# KiCad board Coral Dev Board Micro-PcbDoc.kicad_pcb (continued)
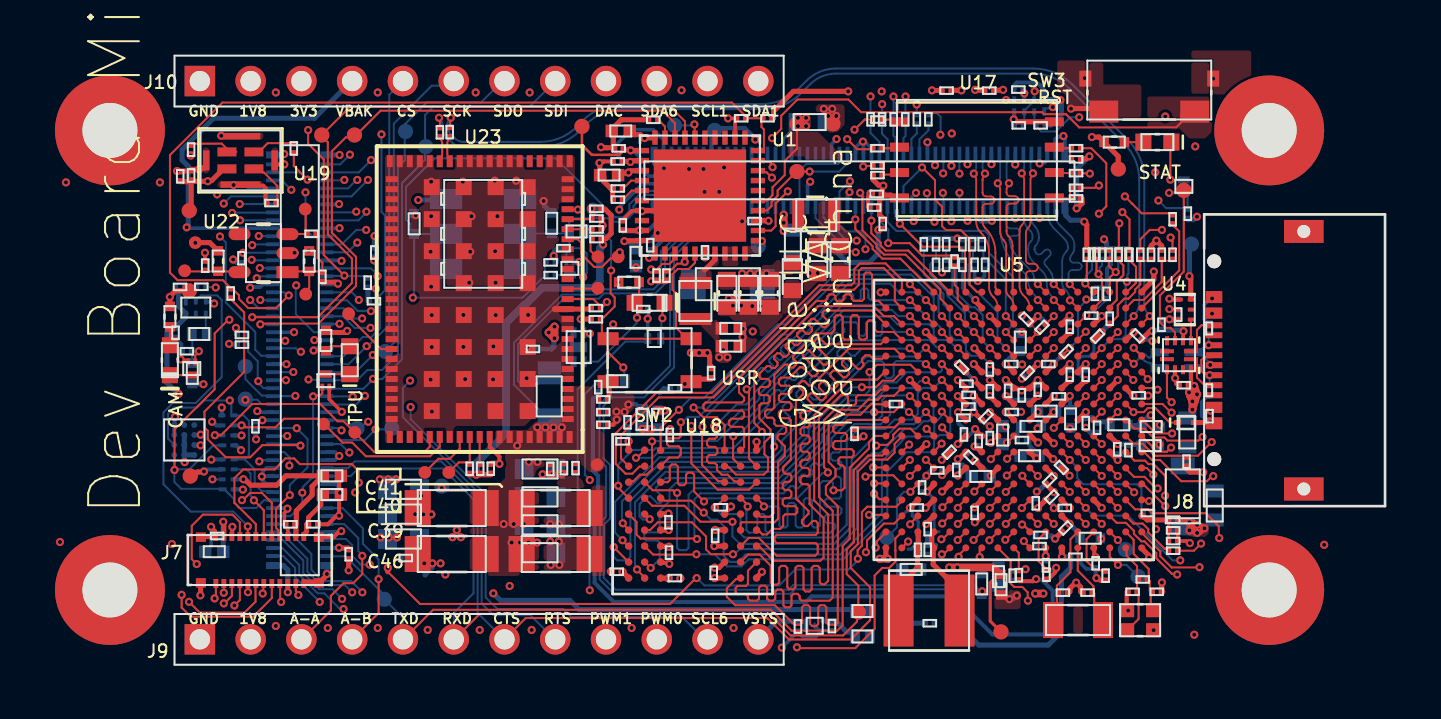
[diagram p0: board, top side]
## Copper pours and planes (outline as drawn; the poured copper is in the pictures) (continued)
GND on In6.Cu: outline of 174 points within -5.85,0.49 58.65,29.99
VDD_1V8 on Bottom: 31.92,21.07 32.03,21.18 32.03,23.18 31.95,23.26 30.26,23.26 30.18,23.18 30.18,21.49 30.6,21.07
VDD_1V8 on Bottom: 24.55,13.42 24.55,12.45 24.58,12.41 25.32,12.41 25.42,12.51 25.42,13.16 25.57,13.31 25.57,14.03 25.54,14.06 25.19,14.06
VDD_1V8 on In3.Cu: 43.48,16.86 43.95,16.39 44.66,16.39 45.13,16.86 45.55,16.86 46.72,15.69 46.72,11.51 46.55,11.35 45.13,11.35 44.93,11.55 44.93,13.59 44.63,13.89 40.62,13.89 40.31,13.58 40.31,12.53 40.19,12.41 39.52,12.41 39.35,12.58 39.35,16.06 39.65,16.35 42.36,16.35 42.87,16.86
VDD_1V8 on In4.Cu: 33.05,27.03 32.86,27.22 32.86,28.27 34.1,29.5 34.1,29.82 34.1,30 33.97,30.13 3.34,30.13 3.08,30.13 0.1,27.18 0.1,5.05 0.45,4.69 0.45,2.84 2.89,0.4 8.3,0.4 8.49,0.59 8.49,1.49 9.64,2.65 9.64,9.4 10.27,10.04 20.38,10.04 22.01,11.66 22.87,12.51 25.32,12.51 25.4,12.6 25.41,13.73 25.41,15.16 24.84,15.73 23.19,15.73 22.68,15.22 12.92,15.22 11.27,16.87 11.27,23.02 13.08,24.82 24.33,24.82 27.92,21.23 32.74,21.23 33.05,21.54
VDD_1V8 on In4.Cu: 48.26,26.66 47.09,26.66 45.63,28.12 45.37,28.12 45.18,27.93 44.93,27.93 43.55,29.31 33.66,29.31 33.63,29.34 33.63,29.94 33.65,29.94 33.75,30.04 45.11,30.04 46.82,28.33 48.92,28.33 52.83,24.43 52.83,22.91 52.83,12.4 52.83,10.45 51.87,9.49 48.3,9.49 47.23,10.56 46.18,10.56 45.91,10.29 45.91,9.28 45.74,9.11 45.13,9.12 44.91,9.33 44.91,14.49 45.17,14.75 47.37,14.75 47.52,14.6 47.52,12.67 49.53,10.66 50.33,10.66 50.69,11.02 50.69,24.22
VDD_1V8 on In4.Cu: 39.49,15.26 39.35,15.12 39.35,10.73 39.54,10.53 39.98,10.53 40.2,10.31 40.2,7.71 40.36,7.56 41.25,7.56 41.91,8.23 41.91,14.95 41.6,15.26
VDD_1V8_SENSE on Top: 25.89,17.57 25.89,16.97 25.98,16.88 27.02,16.88 27.61,16.3 27.61,15.38 27.89,15.11 28.34,15.11 28.49,15.26 28.49,15.49 28.39,15.59 28.39,17.14 28.29,17.24 27.83,17.24 27.5,17.57
VDD_1V8_SENSE on Bottom: 30.32,17.9 30.08,17.65 27.94,17.65 27.71,17.42 27.71,15.18 27.78,15.11 28.6,15.11 30.68,17.19 31.06,17.19 32.79,18.92 32.79,20.59 32.64,20.74 31.11,20.74 31.03,20.67 31.03,18.51 30.43,17.9
VDD_3V3 on Top: 33.37,26.64 33.78,26.64 34.16,27.02 34.16,27.93 34.04,28.05 32.84,28.05 32.71,27.92 32.71,27.3
VDD_3V3 on Top: 41.69,3.8 41.65,3.76 41.65,2.85 41.73,2.77 42.86,2.77 42.97,2.89 42.97,3.62 42.8,3.8
VDD_3V3 on Bottom: 32.66,27.81 32.89,28.03 33.75,28.03 33.98,27.81 33.98,26.94 33.27,26.23 33.27,25.27 33.19,25.19 31.38,25.19 31.33,25.24 31.33,26.18 31.47,26.32 32.06,26.32 32.66,26.92
VDD_3V3 on Bottom: 18.59,16.17 18.59,15.64 18.64,15.59 20.77,15.59 20.77,17.24 19.66,17.24
VDD_3V3 on In3.Cu: 3.73,25.09 4.34,24.48 19.02,24.48 20.68,22.81 20.68,18.36 20.56,18.22 19.1,16.76 19.1,16.29 19.83,15.55 20.93,15.55 22.93,17.54 23.87,18.48 23.87,21.54 25.28,22.95 31.3,22.95 34.81,19.45 38.06,19.45 38.36,19.14 46.83,19.14 48.19,17.79 48.74,17.79 48.93,17.59 48.93,12.55 48.71,12.34 48.71,7.71 48.54,7.56 47.72,6.74 46.1,6.74 45.3,5.94 43.15,5.94 42.19,4.97 42.2,4.11 42.2,3.08 42.48,2.8 44.83,2.8 46.03,2.81 50.71,7.49 51.48,8.26 51.48,11.7 50.71,12.46 50.71,16.82 50.72,16.83 50.72,17.23 51.04,17.54 51.04,19.54 52.13,20.63 52.13,29.83 51.15,30.8 45.18,30.78 41.23,30.78 40.82,30.76 40.79,30.79 32.03,30.8 4.2,30.8 3.73,30.33
VDD_3V3 on In5.Cu: 33.73,28.06 33.97,27.82 33.97,27.35 33.84,27.22 32.86,27.22 32.72,27.36 32.72,27.74 33.04,28.06
VDD_3V3_SENSE on Top: 31.31,25.6 31.47,25.44 32.1,25.44 32.84,24.71 32.84,21.89 32.28,21.33 32.28,20.62 32.41,20.49 34.34,20.49 34.44,20.59 34.44,21.58 34.01,22.01 34.01,25.49 32.48,27.02 32.48,27.45 32.33,27.6 31.58,27.6 31.31,27.33
VDD_3V3_SENSE on Bottom: 32.38,27.6 32.28,27.7 31.37,27.7 31.24,27.58 31.24,26.66 31.37,26.54 32.05,26.54 32.38,26.87
VDD_SNVS on Bottom: 38.65,2.48 38.6,2.43 38.6,0.83 38.71,0.73 44.71,0.73 45.61,1.63 45.61,5.56 45.54,5.63 44.9,5.63 44.85,5.58 44.85,1.77 44.37,1.29 41.17,1.29 39.98,2.48
VDD_SNVS_3V3 on Bottom: 35.18,2.99 35.23,3.04 37.59,3.04 38.25,2.38 38.25,1.59 37.56,0.91 35.25,0.91 35.18,0.98
VDD_SNVS_ANA on In4.Cu: 44.31,6 43.53,5.22 43.53,2.9 43.77,2.66 47.04,2.66 47.16,2.79 47.16,5.61 46.77,6
VDD_SOC_IN on In3.Cu: 40.56,11.5 40.43,11.38 40.43,10.74 40.56,10.61 42.52,10.61 42.82,10.91 43.93,10.91 44.03,11.02 44.03,13.56 43.93,13.66 41.17,13.66 40.97,13.45 40.97,11.63 40.84,11.5
VDD_USB_3P3 on Bottom: 49.72,12.49 49.56,12.64 48.94,12.64 48.76,12.83 46.11,12.83 45.67,13.28 45.67,13.57 45.53,13.71 45.23,13.71 45.09,13.85 45.09,14.41 45.26,14.57 46.55,14.57 46.73,14.75 48.9,14.75 49.18,14.47 50.14,14.47 50.44,14.17 50.44,12.64 50.57,12.51 50.57,11.98 50.31,11.73 49.93,11.73 49.72,11.94
VDDA_1P0 on In4.Cu: 43.49,5.62 41.14,5.62 40.89,5.87 40.89,6.83 42.53,8.46 42.53,14.53 42.72,14.72 44.26,14.72 44.29,14.69 44.29,9.38 45.23,8.44 45.23,7.35 45.23,6.92 44.9,6.6 44.47,6.6
(no net) on Top: 45.21,1.34 46.46,1.34 46.46,3.14 45.21,3.14
(no net) on Top: 52.37,7.13 52.37,6.57 52.19,6.39 51.46,6.39 51.43,6.4 51.2,6.62 51.2,7.14 51.21,7.17 51.21,7.24 51.3,7.33 52.17,7.33
(no net) on Top: 34.16,27.93 34.16,27.02 33.78,26.64 33.37,26.64 32.71,27.3 32.71,27.92 32.84,28.05 34.04,28.05
(no net) on Top: 23.64,13.51 23.64,12.86 22.74,11.96 22.69,11.98 22.69,12.09 22.67,12.22 22.62,12.28 22.6,12.32 22.62,12.37 22.67,12.43 22.69,12.56 22.69,12.58 22.3,12.58 22.3,12.71 22.69,12.71 22.69,12.73 22.67,12.85 22.62,12.92 22.6,12.96 22.62,13 22.67,13.07 22.69,13.19 22.69,13.21 22.3,13.21 22.3,13.34 22.69,13.34 22.69,13.36 22.67,13.49 22.6,13.58 22.62,13.63 23.52,13.63
(no net) on Top: 54.5,29.8 54.41,29.78 53.95,29.59 53.52,29.33 53.14,29 52.84,28.66 52.79,28.62 52.68,28.63 52.6,28.64 52.45,28.64 52.37,28.77 52.4,28.9 52.41,29 52.4,29.05 52.52,29.13 52.6,29.11 52.68,29.13 52.76,29.17 52.8,29.25 52.82,29.33 52.8,29.42 52.76,29.49 52.68,29.54 52.6,29.56 52.52,29.54 52.44,29.49 52.41,29.43 52.33,29.42 52.27,29.42 52.25,29.46 52.21,29.5 52.21,29.98 54.5,29.98
(no net) on Top: 27.86,20.9 27.86,20.06 27.5,19.7 27.5,18.81 25.89,18.81 25.89,19.49 26.03,19.62 26.36,19.62 26.38,19.63 26.44,19.63 26.48,19.67 26.49,19.68 26.8,19.99 26.8,19.99 26.91,20.1 27.08,20.1 27.17,20.08 27.27,20.1 27.43,20.1 27.43,20.22 27.48,20.26 27.48,20.37 27.48,20.39 27.48,20.41 27.48,20.89 27.53,20.94 27.82,20.94
(no net) on Top: 34.41,20.08 34.41,19.25 34.34,19.17 32.89,19.17 32.82,19.16 32.8,19.14 32.79,19.14 31.26,17.62 29.18,15.54 28.65,15.54 28.57,15.61 28.57,17.24 28.37,17.44 27.83,17.44 27.76,17.52 27.76,18.46 27.86,18.56 30.83,18.56 31.09,18.81 31.09,19.19 31.19,19.3 31.64,19.3 31.8,19.45 32.08,19.45 32.3,19.68 32.3,20.11 32.38,20.19 34.31,20.19
(no net) on Top: 27.57,17.44 27.61,17.37 27.69,17.3 27.76,17.25 27.83,17.24 28.28,17.24 28.37,17.15 28.37,15.61 28.38,15.54 28.43,15.47 28.49,15.4 28.49,15.26 28.34,15.11 27.89,15.11 27.66,15.33 27.66,15.44 27.65,15.54 27.61,15.59 27.62,15.6 27.61,15.64 27.61,16.3 27.02,16.88 25.98,16.88 25.91,16.96 25.91,17.57 27.5,17.57
(no net) on Top: 28.82,20.89 28.82,20.16 28.97,20.01 29.05,20.01 30.43,20.01 30.53,20.01 31.11,20.59 31.44,20.59 31.44,20.59 31.97,20.59 32.05,20.52 32.05,19.73 32,19.68 31.7,19.68 31.52,19.5 31.19,19.5 31.11,19.5 31.07,19.46 30.94,19.34 30.92,19.31 30.88,19.27 30.88,19.2 30.88,18.9 30.75,18.76 27.86,18.76 27.71,18.91 27.71,19.61 28.01,19.92 28.01,19.93 28.04,19.96 28.04,19.97 28.06,20.06 28.06,20.9 28.08,20.93 28.78,20.93
(no net) on Top: 46.59,29.5 46.56,29.46 46.46,29.29 46.42,29.19 46.39,29 46.4,28.9 46.45,28.71 46.49,28.62 46.61,28.46 46.68,28.39 46.85,28.3 46.95,28.26 47.14,28.23 47.24,28.24 47.43,28.29 47.46,28.3 47.5,28.32 47.52,28.33 49,28.33 49,27.24 48.83,27.07 46.2,27.07 46.11,27.17 46.11,27.18 46.18,27.28 46.2,27.4 46.18,27.52 46.11,27.62 46.01,27.69 45.89,27.71 45.78,27.69 45.67,27.62 45.63,27.61 45.18,28.06 45.24,28.14 45.26,28.26 45.24,28.38 45.17,28.48 45.07,28.55 44.95,28.57 44.93,28.57 44.8,28.67 44.8,29.98 46.59,29.98
(no net) on Top: 42.51,3.76 42.57,3.72 42.64,3.71 42.89,3.71 42.97,3.62 42.97,2.89 42.86,2.77 41.73,2.77 41.65,2.85 41.65,3.76 41.69,3.8 42.48,3.8
(no net) on Top: outline of 109 points within 15.4,4.44 22.17,13.94
(no net) on Top: 32.33,27.6 32.48,27.45 32.48,27.02 34.01,25.49 34.01,22.01 34.44,21.58 34.44,20.78 34.43,20.76 34.4,20.64 34.42,20.57 34.34,20.49 32.41,20.49 32.28,20.62 32.28,21.33 32.84,21.89 32.84,24.71 32.1,25.44 31.47,25.44 31.31,25.6 31.31,27.33 31.58,27.6
(no net) on Top: 52.6,28.28 52.55,28.19 52.36,27.73 52.24,27.24 52.2,26.74 52.22,26.46 52.11,26.34 51.4,26.34 50.9,26.84 49.4,26.84 49.3,26.94 49.3,28.33 51.28,28.33 51.3,28.32 51.34,28.3 51.37,28.29 51.56,28.24 51.66,28.23 51.85,28.26 51.95,28.3 52.12,28.39 52.17,28.44 52.6,28.44
(no net) on Top: 20.67,25.39 20.67,24.22 20.65,24.18 20.61,24.14 20.57,24.14 20.04,24.14 20.01,24.11 20.01,24 20.04,23.97 20.57,23.97 20.61,23.96 20.65,23.93 20.67,23.89 20.67,23.71 20.65,23.67 20.61,23.63 20.57,23.63 20.04,23.63 20.01,23.6 20.01,23.49 20.04,23.46 20.57,23.46 20.61,23.46 20.65,23.42 20.67,23.38 20.67,23.18 20.62,23.13 19.94,23.13 19.88,23.08 19.87,23.08
(no net) on Top: 32.15,23.36 32.23,23.28 32.23,21.58 31.44,20.8 31.01,20.8 30.43,20.21 29.05,20.21 29.03,20.24 29.03,20.83 29.14,20.95 29.85,20.95 29.9,20.91 30.02,20.89 30.14,20.91 30.19,20.95 30.22,20.95 30.3,20.97 30.3,21.03 30.71,21.43 30.95,21.43 30.99,21.41 31.11,21.39 31.24,21.41 31.34,21.48 31.39,21.56 31.47,21.63 31.47,23.27 31.56,23.36
(no net) on Top: 20.76,9.23 20.78,9.23 20.9,9.25 20.97,9.29 21.12,9.15 21.12,9.12 21.19,9.02 21.29,8.96 21.41,8.93 21.53,8.96 21.57,8.98 22.09,8.98 22.2,8.88 22.2,8.6 22.2,4.52 22.12,4.44 19.3,4.44 19.1,4.64 19.1,9.13 19.22,9.21 19.22,9.21 19.34,9.18 19.36,9.18 19.36,9.57 19.49,9.57 19.49,9.18 19.51,9.18 19.64,9.21 19.74,9.28 19.86,9.28 19.91,9.25 20.03,9.23 20.05,9.23 20.05,9.62 20.18,9.62 20.18,9.23 20.2,9.23 20.33,9.25 20.41,9.3 20.48,9.25 20.61,9.23 20.63,9.23 20.63,9.62 20.76,9.62
(no net) on Bottom: 25.07,12.11 25.07,11.97 25.03,11.91 25,11.79 25,11.66 25.02,11.58 24.98,11.54 24.39,11.54 24.33,11.47 23.77,11.47 23.69,11.39 23.63,11.41 23.57,11.5 23.55,11.51 23.55,11.57 23.61,11.61 23.68,11.72 23.71,11.84 23.3,11.84 23.3,11.97 23.71,11.97 23.68,12.1 23.67,12.12 23.76,12.21 24.96,12.21
(no net) on Bottom: 43.33,12.13 43.33,11.65 43.25,11.57 43.08,11.57 42.99,11.63 42.87,11.66 42.87,10.83 42.99,10.86 43.03,10.88 43.13,10.79 43.25,10.79 43.3,10.74 43.3,10.1 43.26,10.05 42.68,10.05 42.6,10.13 42.6,10.47 42.44,10.64 42.17,10.64 41.98,10.44 41.98,10.34 41.98,10.31 41.98,10.27 41.98,10.13 41.92,10.06 41.36,10.06 41.26,10.17 41.26,10.71 41.3,10.74 41.34,10.73 41.36,10.73 41.36,11.12 41.42,11.12 41.42,11.18 41.83,11.18 41.81,11.31 41.75,11.4 41.86,11.5 42.41,11.5 42.43,11.47 42.44,11.45 42.41,11.33 42.41,11.31 42.74,11.31 42.74,11.66 42.73,11.65 42.69,11.69 42.69,12.16 42.74,12.21 43.25,12.21
(no net) on Bottom: 51.99,14.09 51.99,13.42 51.87,13.29 51.82,13.22 51.8,13.13 51.8,12.46 51.82,12.37 51.84,12.34 51.84,12.01 51.79,11.96 50.87,11.96 50.82,12.01 50.82,12.59 50.83,12.62 50.82,12.65 50.82,13.11 50.83,13.14 50.82,13.17 50.82,14.04 50.89,14.11 50.91,14.12 50.93,14.15 50.97,14.19 51.89,14.19
(no net) on Bottom: 37.14,8.09 37.17,8.05 37.15,7.95 37.15,7.93 37.54,7.93 37.54,7.87 37.6,7.87 37.6,7.46 37.73,7.48 37.82,7.54 37.98,7.38 37.98,7.21 37.95,7.16 37.93,7.05 37.95,6.93 37.98,6.88 37.98,6.39 37.94,6.36 37.91,6.37 37.89,6.37 37.89,5.98 37.77,5.98 37.77,6.37 37.74,6.37 37.62,6.34 37.59,6.32 37.55,6.38 37.45,6.45 37.33,6.48 37.22,6.45 37.11,6.38 37.05,6.28 37.02,6.16 37.05,6.05 37.11,5.95 37.22,5.88 37.33,5.85 37.43,5.87 37.44,5.79 37.46,5.77 37.43,5.72 36.92,5.72 36.79,5.85 36.79,6.63 36.9,6.75 36.94,6.81 36.96,6.88 36.96,7.38 37.03,7.46 37.03,8.03 37.09,8.1
(no net) on Bottom: 20.66,17.24 20.67,17.18 20.74,17.08 20.77,17.06 20.77,16.27 20.29,16.27 20.29,15.68 19.21,15.68 19.2,15.69 19.18,15.73 19.18,15.74 18.79,15.74 18.79,15.8 18.73,15.8 18.73,16.21 18.69,16.21 18.67,16.25 19.66,17.24
(no net) on Bottom: 32.38,27.6 32.38,26.87 32.05,26.54 31.37,26.54 31.24,26.66 31.24,27.58 31.37,27.7 32.28,27.7
(no net) on Bottom: 22.91,17.21 22.91,16.86 22.83,16.78 22.53,16.78 21.39,15.65 20.9,15.65 20.88,15.66 20.8,15.68 20.5,15.68 20.5,16.07 20.77,16.07 20.85,16.08 20.92,16.13 20.96,16.19 20.98,16.27 20.98,16.83 21.1,16.95 21.31,16.95 21.67,17.32 22.81,17.32
(no net) on Bottom: 19.96,12.97 20.25,12.68 20.25,11.73 20.25,10.79 20.1,10.64 19,10.64 18.89,10.53 18.89,9.8 18.83,9.75 18.76,9.65 18.74,9.53 18.76,9.41 18.83,9.31 18.89,9.27 18.89,4.97 18.72,4.79 17.78,4.79 17.17,5.4 17.17,9.92 17.17,9.93 17.2,10.05 17.17,10.17 17.17,10.18 17.17,10.76 17.52,11.12 17.52,11.48 17.54,11.57 17.54,11.75 18.77,12.97
(no net) on Bottom: 51.81,11.22 51.81,9.75 51.79,9.64 51.81,9.52 51.88,9.42 51.98,9.35 52.12,9.31 52.32,9.31 52.38,9.22 52.48,9.15 52.6,9.13 52.72,9.15 52.82,9.22 52.88,9.31 53.13,9.31 53.26,9.19 53.26,8.35 53.16,8.25 51.09,8.25 50.36,8.97 50.36,10.53 50.42,10.57 50.49,10.55 50.61,10.58 50.71,10.64 50.78,10.74 50.8,10.86 50.78,10.98 50.71,11.08 50.68,11.1 50.68,11.15 50.82,11.3 51.74,11.3
(no net) on Bottom: 29.97,23.28 29.97,22.57 29.92,22.52 29.19,22.52 29.15,22.48 29.03,22.5 28.91,22.48 28.81,22.41 28.74,22.31 28.72,22.19 28.74,22.07 28.81,21.97 28.91,21.91 29.03,21.88 29.07,21.89 29.1,21.86 29.1,20.44 27.86,19.19 27.86,18.13 27.5,17.77 27.5,15.36 27.43,15.28 25.9,15.28 25.81,15.38 25.81,20.11 25.86,20.11 25.87,20.04 25.94,19.94 26.04,19.87 26.16,19.85 26.28,19.87 26.38,19.94 26.45,20.04 26.47,20.16 26.45,20.28 26.38,20.38 26.28,20.45 26.16,20.47 26.07,20.45 26.04,20.5 27.36,21.82 27.36,23.22 27.5,23.36 27.86,23.36 27.89,23.35 27.92,23.36 29.89,23.36
(no net) on Bottom: 45.11,5.58 45.09,5.49 45.09,5.47 45.48,5.47 45.48,5.4 45.55,5.4 45.55,4.99 45.58,5 45.61,4.97 45.61,4.39 45.52,4.33 45.45,4.23 45.43,4.11 45.45,3.99 45.52,3.89 45.61,3.83 45.61,1.63 44.71,0.73 38.71,0.73 38.6,0.83 38.6,1.67 38.71,1.67 38.84,1.69 38.94,1.76 39.01,1.87 39.04,1.99 39.04,2.01 38.65,2.01 38.65,2.14 39.04,2.14 39.04,2.16 39.01,2.28 38.94,2.39 38.88,2.43 38.9,2.48 39.98,2.48 41.17,1.29 41.53,1.29 41.55,1.28 44.17,1.28 44.19,1.29 44.37,1.29 44.85,1.77 44.85,4.56 44.86,4.56 44.96,4.63 45.03,4.73 45.05,4.85 45.03,4.97 44.96,5.07 44.86,5.14 44.85,5.14 44.85,5.58 44.9,5.63 45.07,5.63
(no net) on Bottom: 24.34,13.1 24.34,12.44 24.32,12.41 23.76,12.41 23.71,12.41 23.71,12.42 23.68,12.55 23.61,12.65 23.5,12.72 23.38,12.75 23.36,12.75 23.36,12.36 23.3,12.36 23.3,12.29 22.88,12.29 22.91,12.17 22.92,12.15 22.89,12.12 22.89,11.59 22.89,11.59 22.89,11.18 22.83,11.18 22.83,11.12 22.44,11.12 22.44,11.1 22.46,10.98 22.45,10.96 22.44,10.93 22.39,10.93 22.28,11.03 22.28,12.87 22.61,13.2 24.13,13.2 24.14,13.2 24.22,13.2 24.23,13.21
(no net) on Bottom: outline of 136 points within 45.09,11.73 50.57,14.75
(no net) on Bottom: 13.55,9.19 13.52,9.14 13.48,8.94 13.52,8.74 13.63,8.57 13.8,8.46 14,8.42 14.2,8.46 14.25,8.49 15.38,7.36 15.38,4.11 15.3,4.03 13.2,4.03 12.35,4.88 12.38,4.93 12.49,4.93 12.61,4.95 12.72,5.03 12.79,5.13 12.82,5.25 12.82,5.28 12.43,5.28 12.43,5.34 12.36,5.34 12.36,5.75 12.34,5.75 12.3,5.79 12.3,5.87 12.29,5.94 12.29,9.29 12.44,9.44 13.3,9.44
(no net) on Bottom: 17.77,18.14 16.93,17.3 16.93,17.24 16.92,17.23 16.89,17.1 16.89,11.86 16.66,11.63 16.66,11.48 15.71,10.52 14.84,10.52 12.85,12.51 12.85,18.19 17.75,18.19
(no net) on Bottom: 53.17,7.7 53.26,7.61 53.26,6.77 53.13,6.65 52.92,6.65 52.9,6.65 52.88,6.65 52.71,6.65 52.45,6.39 51.46,6.39 51.43,6.4 51.4,6.39 50.39,6.39 50.31,6.47 50.32,7.42 50.6,7.7
(no net) on Bottom: 32.79,20.59 32.79,19.93 32.41,19.93 32.28,19.9 32.18,19.83 32.11,19.73 32.08,19.6 32.11,19.48 32.18,19.37 32.28,19.3 32.41,19.28 32.79,19.28 32.79,18.92 31.09,17.22 30.81,17.22 30.74,17.2 30.71,17.19 30.68,17.19 28.6,15.11 27.78,15.11 27.71,15.18 27.71,15.36 27.71,15.36 27.71,17.42 27.94,17.65 29.41,17.65 29.54,17.63 29.94,17.63 30.07,17.65 30.08,17.65 30.09,17.67 30.17,17.72 30.22,17.8 30.32,17.9 30.43,17.9 30.55,18.03 30.65,18.03 30.73,18.04 30.8,18.09 30.87,18.16 30.92,18.23 30.93,18.31 30.93,18.41 31.03,18.51 31.03,20.67 31.11,20.74 32.64,20.74
(no net) on Bottom: 33.98,27.81 33.98,26.94 33.63,26.59 33.53,26.53 33.47,26.43 33.27,26.23 33.27,25.27 33.25,25.24 32.23,25.24 32.16,25.23 32.1,25.19 31.38,25.19 31.33,25.24 31.33,26.18 31.47,26.32 32.06,26.32 32.08,26.34 32.13,26.35 32.2,26.39 32.53,26.72 32.57,26.79 32.58,26.83 32.66,26.92 32.66,27.81 32.89,28.03 33.75,28.03
(no net) on Bottom: 38.38,5.14 38.4,5.14 38.52,5.16 38.63,5.23 38.7,5.34 38.7,5.36 38.75,5.37 38.78,5.34 38.78,5.25 38.88,5.15 39.69,5.15 39.74,5.12 39.86,5.09 39.98,5.12 40,5.13 40.1,5.13 40.15,5.08 40.15,4.39 39.95,4.18 37.82,4.18 37.59,4.41 37.59,5.12 37.6,5.13 37.64,5.16 37.74,5.14 37.77,5.14 37.77,5.53 37.89,5.53 37.89,5.14 37.91,5.14 38.04,5.16 38.07,5.18 38.1,5.16 38.23,5.14 38.25,5.14 38.25,5.53 38.38,5.53
(no net) on Bottom: 42.16,4.29 42.57,4.29 42.57,4.23 42.63,4.23 42.63,3.84 42.65,3.84 42.78,3.86 42.88,3.94 42.95,4.04 42.98,4.17 42.98,4.29 43,4.3 43.03,4.31 43.38,3.95 43.99,3.95 44.29,3.65 44.29,2.13 44.01,1.85 41.78,1.85 41.58,2.05 41.58,4.26 41.65,4.34 42.11,4.34
(no net) on Bottom: outline of 82 points within 37.94,5.85 40.43,9.14
(no net) on Bottom: 12,9.28 12,5.97 12.1,5.87 12.1,5.78 12.06,5.75 12.04,5.75 12.04,5.34 11.98,5.34 11.98,5.28 11.58,5.28 11.58,5.25 11.61,5.13 11.64,5.08 11.62,5.04 11.53,5.04 11.52,5.06 11.42,5.13 11.36,5.14 10.38,6.11 10.38,9.29 10.59,9.49 11.78,9.49
(no net) on Bottom: 20.47,10.27 20.47,4.95 20.32,4.79 19.25,4.79 19.1,4.95 19.1,4.97 19.1,9.27 19.1,9.27 19.1,9.79 19.1,9.8 19.1,10.13 19.1,10.15 19.1,10.18 19.1,10.34 19.19,10.43 20.31,10.43
(no net) on Bottom: 38.1,2.53 38.08,2.48 38.01,2.46 37.9,2.39 37.83,2.28 37.81,2.16 37.81,2.14 38.2,2.14 38.2,2.01 37.81,2.01 37.81,1.99 37.83,1.87 37.9,1.76 38.01,1.69 38.13,1.67 38.25,1.67 38.25,1.59 37.56,0.91 35.25,0.91 35.18,0.98 35.18,2.99 35.23,3.04 37.59,3.04
(no net) on Bottom: 25.06,13.85 25.06,13.75 25.08,13.63 25.15,13.52 25.26,13.45 25.38,13.43 25.38,13.84 25.51,13.84 25.51,13.43 25.53,13.43 25.57,13.4 25.57,13.31 25.42,13.16 25.42,12.51 25.32,12.41 24.97,12.41 24.96,12.41 24.58,12.41 24.55,12.45 24.55,13.42 25,13.88
(no net) on Bottom: 42.12,9.73 42.05,9.69 41.99,9.59 41.96,9.47 41.99,9.35 42.05,9.25 42.16,9.18 42.27,9.16 42.39,9.18 42.49,9.25 42.53,9.3 42.58,9.28 42.58,9.12 42.63,9.07 43.33,9.07 43.43,8.97 43.43,7.5 43.28,7.35 42.92,7.35 42.78,7.21 42.78,7.18 42.75,7.13 42.73,7.02 42.75,6.9 42.78,6.85 42.78,5.1 42.73,5.05 42.65,5.07 42.63,5.07 42.63,4.68 42.57,4.68 42.57,4.62 42.16,4.62 42.16,4.58 42.13,4.54 41.56,4.54 41.26,4.23 40.66,4.23 40.53,4.36 40.53,5.68 40.94,6.09 40.94,6.98 40.96,7.01 40.99,7.13 40.96,7.25 40.94,7.28 40.94,7.31 40.94,7.44 40.94,7.45 40.94,7.75 40.95,7.76 40.97,7.88 40.95,8 40.94,8.01 40.94,8.57 40.96,8.67 40.94,8.76 40.94,8.99 40.96,8.99 40.96,9.07 40.98,9.09 40.98,9.67 41.09,9.78 42.11,9.78
(no net) on Bottom: 22.7,26.55 22.7,26.31 22.56,26.17 22.51,26.1 22.5,26.01 22.5,25.59 22.51,25.5 22.56,25.43 22.7,25.29 22.7,24.15 22.27,23.72 21.59,23.72 19.93,25.38 19.95,25.43 20.52,25.43 21.85,26.76 22.49,26.76
(no net) on Bottom: 20.8,14.75 19.99,13.94 18.77,13.94 18.58,14.12 18.58,15.07 18.98,15.47 20.8,15.47
(no net) on Bottom: 30.65,19.98 30.73,19.91 30.73,18.31 30.65,18.23 30.1,18.23 30.07,18.25 29.94,18.27 29.54,18.27 29.41,18.25 29.4,18.24 29.33,18.31 29.33,18.59 28.8,19.13 28.8,19.83 28.95,19.98
(no net) on Bottom: 21.03,23.76 21.01,23.72 20.51,23.72 20.26,23.96 17.55,23.94 17,23.94 17,23.85 16.93,23.78 16.93,20.93 17.13,20.73 18.53,20.73 18.77,20.49 18.77,19.35 17.97,18.55 12.85,18.55 12.85,20.48 13.27,20.9 13.3,20.94 15.15,20.94 15.15,22.19 13.3,22.19 13.27,22.23 13.27,22.65 13.3,22.69 15.15,22.69 15.15,23.94 13.3,23.94 13.27,23.98 13.27,24.72 13.71,25.16 19.64,25.16
(no net) on Bottom: 32.03,23.18 32.03,21.18 31.92,21.07 30.6,21.07 30.18,21.49 30.18,21.9 30.23,21.93 30.23,21.93 30.35,21.91 30.47,21.93 30.57,22 30.64,22.1 30.66,22.22 30.64,22.34 30.57,22.44 30.47,22.5 30.35,22.53 30.23,22.51 30.23,22.51 30.18,22.53 30.18,23.18 30.26,23.26 31.95,23.26
(no net) on Bottom: 36.8,5.4 37.23,5.4 37.38,5.25 37.38,5.12 37.38,4.44 37.32,4.37 35.34,4.37 35.12,4.59 35.12,5.05 35.45,5.38 35.78,5.38 36.11,5.71 36.5,5.71
(no net) on In1.Cu: 18.35,7.47 19.76,7.47 19.76,8.66 18.35,8.66
(no net) on In1.Cu: 17.09,7.14 18.98,7.14 18.98,7.99 17.09,7.99
(no net) on In1.Cu: -6.1,23.74 -0.1,23.74 -0.1,6.74 -6.1,6.74
(no net) on In1.Cu: 19.14,7.54 21.66,7.54 21.66,8.98 19.14,8.98
(no net) on In2.Cu: outline of 83 points within 35.66,21.32 46.02,24.17
(no net) on In2.Cu: 52.37,7.13 52.37,6.57 52.19,6.39 51.46,6.39 51.43,6.4 51.2,6.62 51.2,7.23 51.3,7.33 52.17,7.33
(no net) on In3.Cu: 48.74,13.78 48.74,13.04 48.65,12.95 48.61,12.95 48.49,12.93 48.39,12.86 48.32,12.76 48.3,12.64 48.32,12.52 48.39,12.42 48.49,12.35 48.56,12.34 48.56,8.92 48.52,8.92 48.42,8.85 48.35,8.75 48.33,8.63 48.35,8.51 48.42,8.41 48.52,8.34 48.56,8.33 48.56,7.88 48.04,7.36 45.89,7.36 45.73,7.52 45.73,7.84 45.73,7.86 45.73,7.98 45.55,8.16 45.44,8.16 45.41,8.16 44.23,8.16 44.12,8.27 44.12,9.29 44.47,9.64 44.77,9.64 44.97,9.45 45.23,9.19 45.27,9.19 45.29,9.17 45.41,9.15 45.53,9.17 45.55,9.19 46.86,9.19 46.9,9.16 47.02,9.14 47.14,9.16 47.24,9.23 47.31,9.33 47.33,9.45 47.31,9.57 47.29,9.59 47.29,10.1 47.31,10.13 47.33,10.25 47.31,10.37 47.29,10.39 47.29,10.9 47.31,10.93 47.33,11.05 47.31,11.17 47.29,11.19 47.29,12.52 47.31,12.55 47.34,12.67 47.31,12.79 47.29,12.82 47.29,13.3 47.31,13.33 47.33,13.45 47.31,13.57 47.29,13.59 47.29,13.78 47.45,13.94 48.59,13.94
(no net) on In3.Cu: outline of 111 points within 22.32,4.13 28.27,12.25
(no net) on In3.Cu: 41.14,18.94 41.16,18.94 43.53,18.94 43.54,18.93 43.6,18.83 43.7,18.76 43.82,18.74 43.94,18.76 44.04,18.83 44.11,18.93 44.34,18.93 44.4,18.83 44.5,18.76 44.62,18.74 44.74,18.76 44.84,18.83 44.91,18.93 45.14,18.93 45.2,18.83 45.3,18.76 45.42,18.74 45.54,18.76 45.64,18.83 45.71,18.93 45.87,18.94 45.89,18.94 45.96,18.85 46.07,18.77 46.2,18.75 46.33,18.77 46.44,18.85 46.52,18.94 46.66,18.94 48.73,16.87 48.73,16.67 48.73,16.65 48.73,16.63 48.73,16.26 48.63,16.17 48.62,16.17 48.58,16.16 46.72,16.16 46.53,16.35 46.53,16.53 46.53,16.54 46.56,16.67 46.53,16.79 46.46,16.9 46.35,16.98 46.3,16.99 46.25,17.04 38.71,17.04 38.55,17.19 38.55,17.42 38.56,17.45 38.55,17.48 38.55,18.22 38.56,18.25 38.55,18.28 38.55,18.79 38.71,18.94 40.48,18.94 40.5,18.94 40.56,18.96 40.64,18.96 40.7,18.92 40.82,18.89 40.94,18.92 41,18.96 41.07,18.96
(no net) on In3.Cu: outline of 106 points within 3.42,16.38 10.8,29.66
(no net) on In3.Cu: outline of 205 points within 20.42,3.02 40.05,22.7
(no net) on In3.Cu: 52.65,19.42 52.79,19.28 52.79,18.59 52.74,18.57 52.66,18.62 52.54,18.64 52.42,18.62 52.32,18.55 52.26,18.45 52.23,18.33 52.26,18.21 52.32,18.11 52.42,18.04 52.54,18.02 52.66,18.04 52.74,18.1 52.79,18.07 52.79,15.1 52.74,15.09 52.73,15.12 52.67,15.22 52.57,15.29 52.45,15.31 52.33,15.29 52.23,15.22 52.16,15.12 52.14,15 52.16,14.89 52.23,14.78 52.23,14.78 52.23,14.73 52.2,14.71 52.13,14.61 52.11,14.49 52.13,14.37 52.2,14.27 52.3,14.2 52.42,14.18 52.54,14.2 52.64,14.27 52.71,14.37 52.73,14.49 52.71,14.61 52.64,14.71 52.64,14.71 52.64,14.76 52.67,14.78 52.73,14.89 52.74,14.92 52.79,14.91 52.79,12.71 52.52,12.44 52.47,12.44 52.35,12.42 52.34,12.41 51.05,12.41 50.92,12.54 50.92,14.14 50.98,14.22 51.01,14.34 50.98,14.46 50.92,14.55 50.92,17.11 51.18,17.37 51.18,19.25 51.35,19.42
(no net) on In3.Cu: 41.92,9.76 41.92,8.69 41.91,8.65 41.92,8.61 41.92,7.89 41.91,7.85 41.92,7.81 41.92,7.09 41.91,7.05 41.92,7.01 41.92,6.38 41.91,6.37 41.89,6.25 41.91,6.13 41.92,6.12 41.92,5.42 41.58,5.07 41.58,3.57 41.49,3.49 40.23,3.49 40.13,3.59 40.13,4.53 40.16,4.56 40.2,4.63 40.22,4.7 40.22,5 40.2,5.07 40.16,5.14 40.13,5.17 40.13,5.25 40.15,5.28 40.17,5.4 40.15,5.52 40.13,5.55 40.13,7.02 40.13,7.05 40.13,7.07 40.13,7.82 40.13,7.85 40.13,7.87 40.13,8.51 40.13,8.52 40.16,8.65 40.13,8.78 40.06,8.89 39.95,8.96 39.85,8.98 39.85,8.98 39.7,8.98 39.66,9.02 39.66,9.89 39.75,9.98 40.51,9.98 40.58,9.93 40.7,9.91 40.82,9.93 40.89,9.98 41.7,9.98
(no net) on In3.Cu: outline of 134 points within 39.35,11.35 46.72,16.83
(no net) on In3.Cu: 19.5,15.3 19.8,15.29 19.81,15.28 20.05,15.28 20.23,15.11 20.23,14.27 20.21,14.2 20.21,11.21 20.23,11.14 20.23,11.07 19.91,10.75 17.67,10.75 17.57,10.85 17.57,11.17 18.47,12.07 18.47,12.26 18.48,12.26 18.48,13.49 18.49,13.49 18.86,13.86 18.86,14 18.88,14.04 18.89,14.11 18.89,15.52 18.88,15.59 18.93,15.64 19.16,15.64
